# Altium PCB RK_NVR_DEMO1_RK3588_LP4XD200P232SD8_V21_20211228_final_lint.PcbDoc (part 25 of 29) (continued)
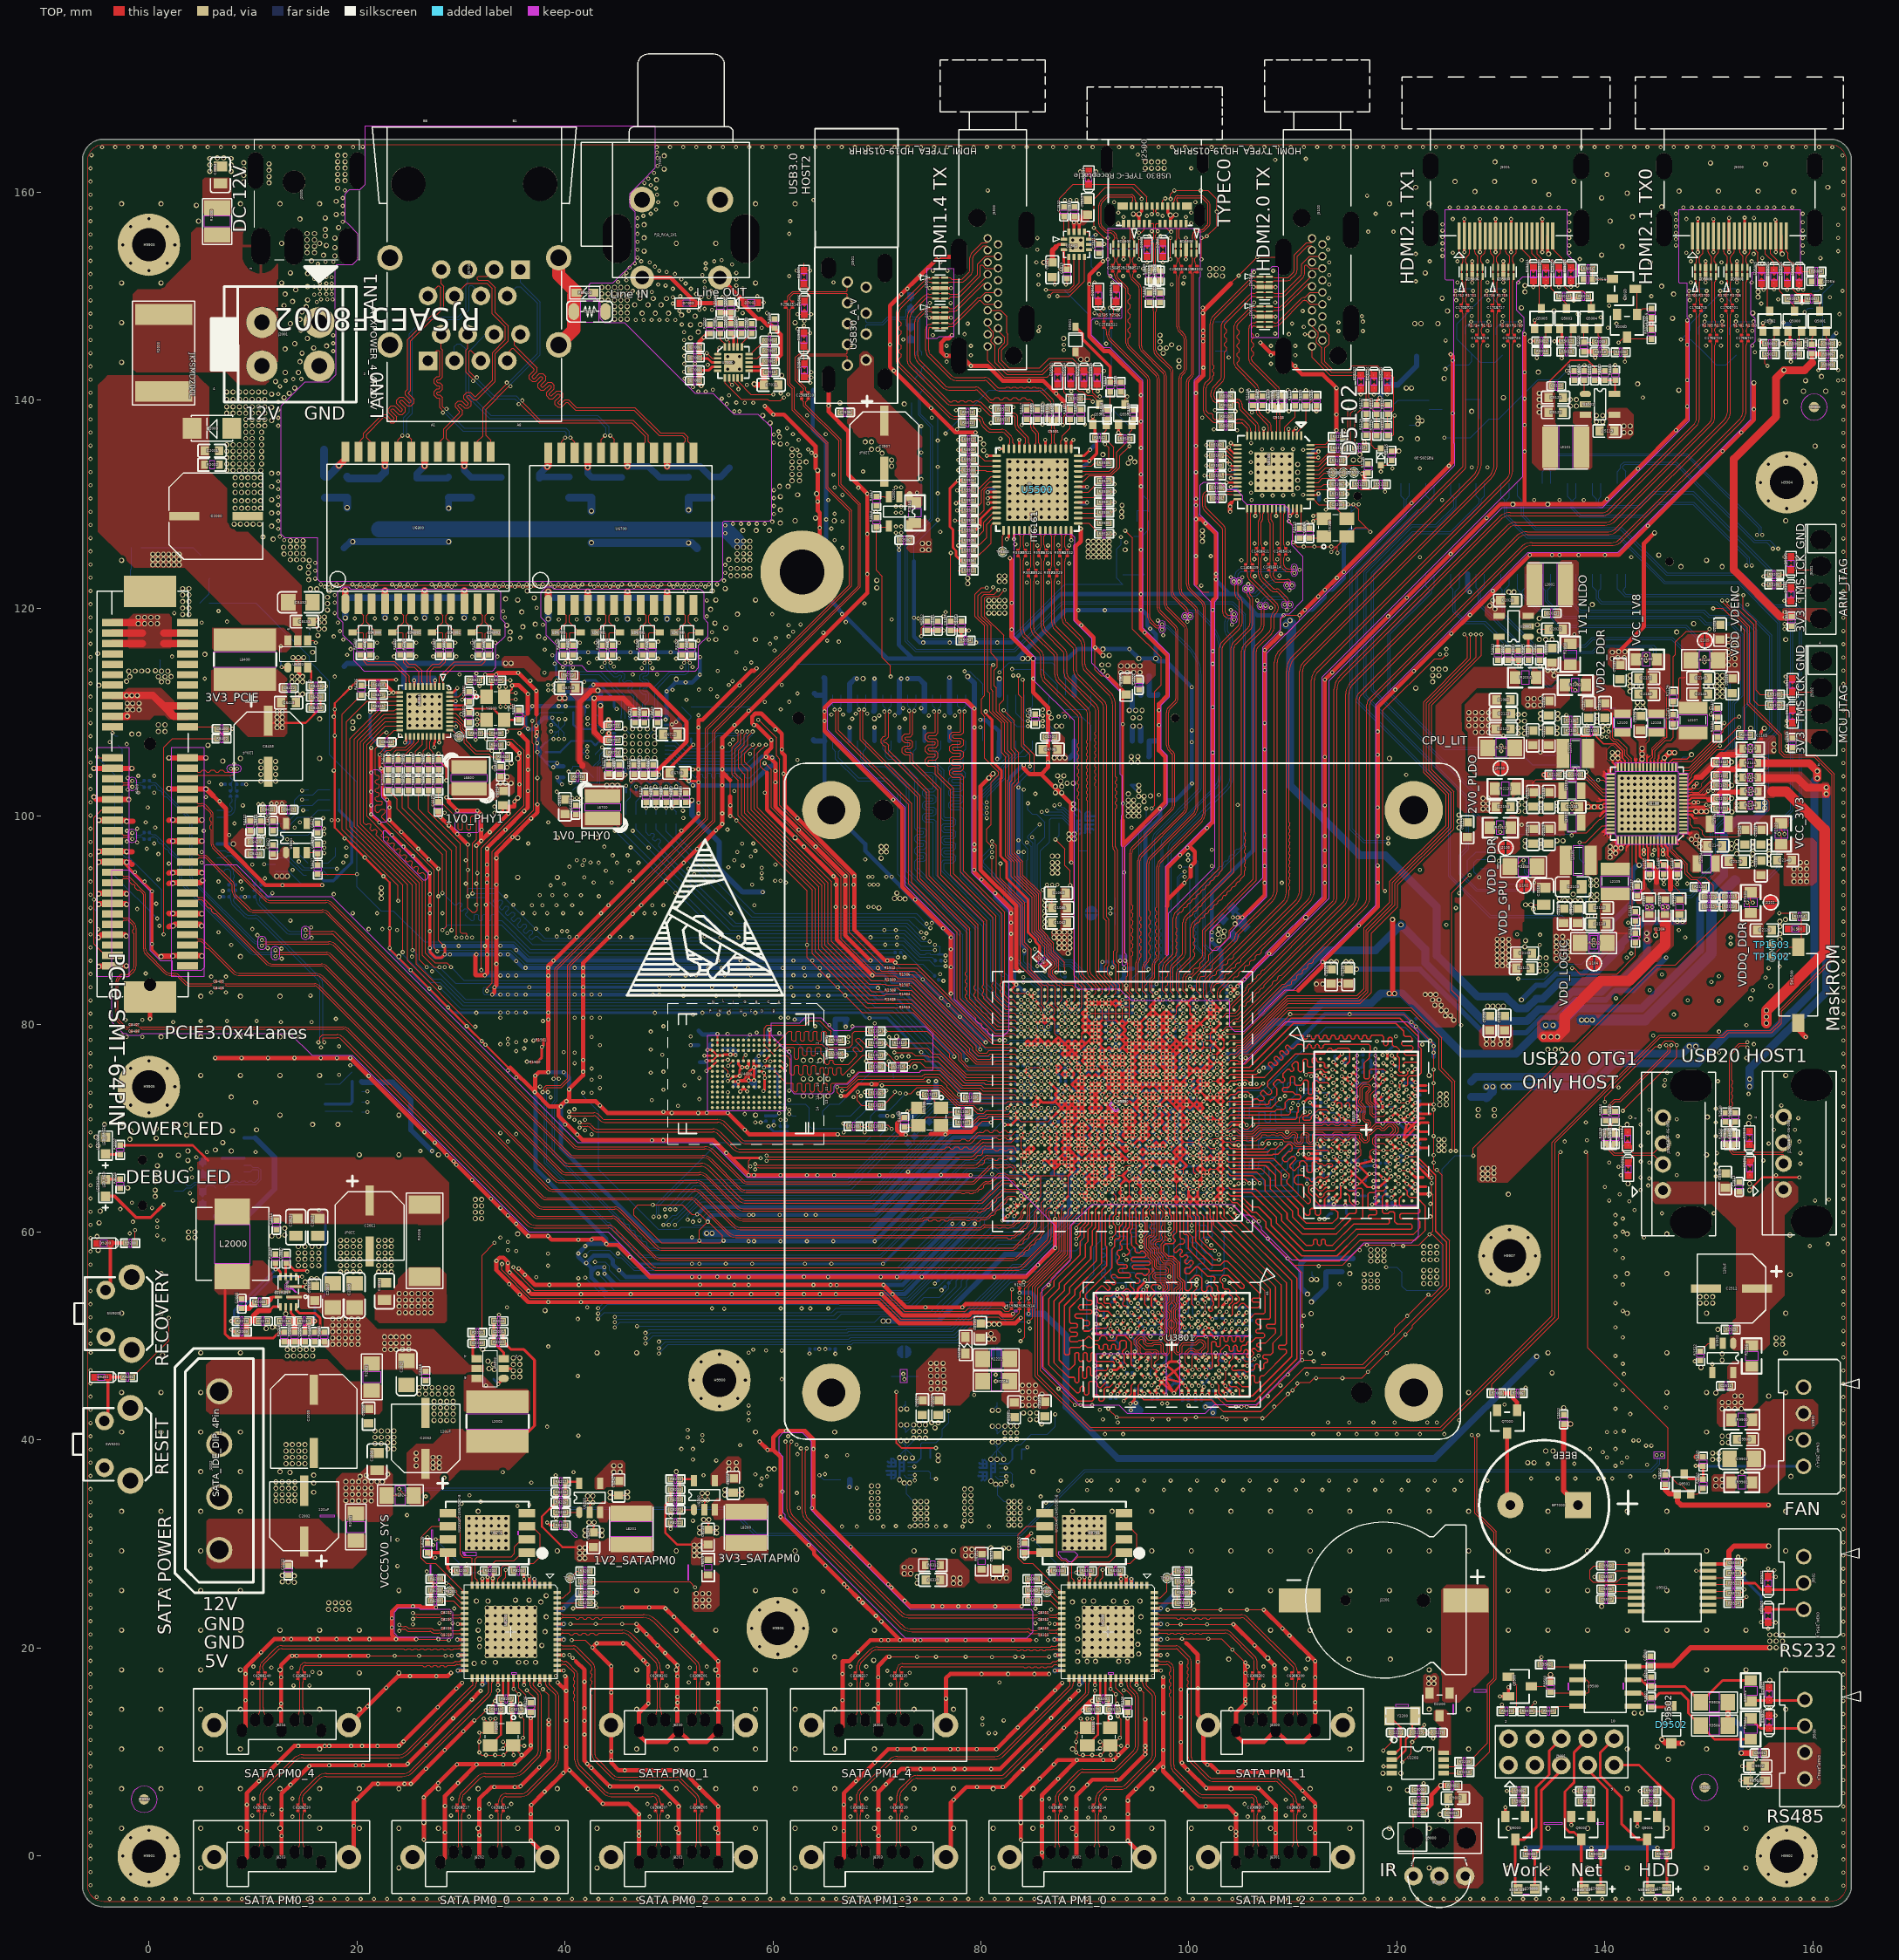
[diagram p0: TOP view]
## Nets (pads, with @x,y where several pads share a name; then routed paths per layer and width w, separated by ;. In a path a pad name is that pad's centre, name@x,y a point inside that pad or via, vN(x,y) a via of type N, cw(c..) or ccw(c..) an arc to the next point about the centre after c; other vN are vias at no path point) (continued)
  other v3: 94.969,16.447 89.469,16.491 96.537,17.336 87.153,19.328 97.299,19.328 87.1,22.328 97.299,22.328 94.469,26.632 89.469,26.69
  other v4: 96.537,17.336
  other v7: 77.36,26.226 77.995,26.226 77.36,26.734 77.995,26.734
  other v8: 77.36,26.226 77.995,26.226 77.36,26.734 77.995,26.734
  other v17: 94.969,16.447 89.469,16.491 96.537,17.336 87.153,19.328 97.299,19.328 87.1,22.328 97.299,22.328 94.469,26.632 89.469,26.69
  other v20: 77.36,26.226 77.995,26.226 77.36,26.734 77.995,26.734
VDD2_DDR: C2100.1 C3809.1 C3810.1 C3811.1 C3812.1 C3813.1 C3814.1 C3815.1 C3816.1 C3817.1 C3818.1 C3819.1 C3820.1 C3821.1 C3822.1 C3823.1 C3854.1 C3855.1 C3856.1 C3857.1 C3858.1 C3859.1 C3860.1 C3861.1 C3862.1 C3863.1 C3864.1 C3865.1 C3866.1 C3867.1 C3868.1 J9800.46 R1205.2 R2102.1 R3806.1 R3807.2 R3811.2 R3816.1 R3817.2 U3800.A4 U3800.A9 U3800.AB4 U3800.AB9 U3800.F5 U3800.F8 U3800.H1 U3800.H5 U3800.H8 U3800.H12 U3800.K1 U3800.K3 U3800.K10 U3800.K12 U3800.N1 U3800.N3 U3800.N10 U3800.N12 U3800.R1 U3800.R5 U3800.R8 U3800.R12 U3800.U5 U3800.U8 U3801.A4 U3801.A9 U3801.AB4 U3801.AB9 U3801.F5 U3801.F8 U3801.H1 U3801.H5 U3801.H8 U3801.H12 U3801.K1 U3801.K3 U3801.K10 U3801.K12 U3801.N1 U3801.N3 U3801.N10 U3801.N12 U3801.R1 U3801.R5 U3801.R8 U3801.R12 U3801.U5 U3801.U8 | length 61.1
  TOP w0.102: R2102.1@135.948,112.535 136.151,112.332 136.923,112.332 ; R2102.1@136.151,112.611 136.355,112.408 136.847,112.408 136.923,112.332 ; v4(137.151,112.103) 136.923,112.332
  TOP w0.254: v4(114.698,76.314) U3800.A4@115.041,76.656 ; v4(115.041,62.595) U3800.AB4@115.041,63.006 ; U3800.R5@115.841,67.556 116.023,67.556 v4(116.222,67.755) ; U3800.H5@115.841,72.107 v4(116.175,71.772) ; v4(117.847,67.653) 117.944,67.556 U3800.R8@118.241,67.556 ; U3800.H8@118.241,72.107 118.241,72.213 117.858,72.596 117.858,73.024 v4(117.916,73.082) U3800.F8@118.241,73.407 ; U3800.N10@119.841,68.856 v4(120.198,69.214)
  L4-S1 w0.254: v29(95.914,47.587) 96.816,47.587 ; v29(113.868,68.483) 113.915,68.531 v29(113.915,71.127) ; 115.307,73.902 115.478,73.731 v29(115.516,73.731) ; 115.917,71.565 116.124,71.772 v4(116.175,71.772) ; v4(117.916,73.082) 117.916,73.36 117.949,73.394
  L4-S1 w0.406: v29(94.398,49.983) 94.276,49.861 94.276,49.029 v29(94.794,48.511)
  BOTTOM w0.102: J9800.46@125.208,123.273 125.208,122.015 125.417,121.806 125.417,119.664 126.551,118.529 128.338,118.529 134.561,112.306 136.948,112.306 v4(137.151,112.103)
  BOTTOM w0.254: v29(90.949,47.156) 91.247,46.858 C3858.1@91.711,46.858 ; v29(91.076,51.156) 91.33,50.902 C3860.1@91.33,50.733 ; v29(94.398,49.983) 94.948,49.433 C3855.1@94.948,49.213 94.948,48.665 v29(94.794,48.511) ; R3817.2@95.847,53.505 95.847,53.629 96.181,53.963 v29(96.181,53.988) ; v29(95.914,47.587) 95.968,47.587 96.468,48.087 C3857.1@96.468,48.095 ; v29(96.304,49.971) 96.562,50.229 C3864.1@96.795,50.229 ; C3868.1@96.464,43.955 96.498,43.989 96.498,44.348 v29(96.465,44.381) ; v29(97.706,46.69) 97.706,46.52 98.569,45.657 C3856.1@98.569,45.465 ; v29(97.807,44.387) 97.807,44.703 C3856.1@98.569,45.465 ; C3863.1@99.077,52.011 99.077,51.986 99.266,51.986 99.567,51.684 v29(99.567,51.639) ; v29(99.321,44.332) 99.407,44.247 C3859.1@99.407,43.875 ; v29(99.646,46.031) 99.08,45.465 C3856.1@98.569,45.465 ; C3854.1@100.282,49.086 C3854.1@100.347,49.151 ; v29(100.347,49.975) C3854.1@100.347,49.151 ; v29(100.621,44.332) 100.652,44.302 100.652,43.9 C3862.1@100.677,43.875 ; v29(100.728,54.039) 100.774,54.085 101.134,54.085 R3816.1@101.134,54.06 ; v29(100.946,47.631) 100.58,47.998 100.58,48.07 C3861.1@100.605,48.095 100.245,48.455 100.22,48.455 100.22,49.021 100.347,49.148 C3854.1@100.347,49.151 ; v29(102.633,49.848) 102.756,49.971 C3866.1@102.756,50.254 ; v29(105.496,51.481) 105.54,51.524 C3865.1@106.015,51.524 ; v29(105.601,47.156) 105.643,47.199 C3867.1@106.065,47.199 ; v29(111.523,67.501) 112.047,67.501 R3807.2@112.174,67.374 ; v29(111.65,72.454) R3806.1@112.162,72.454 ; v29(112.312,71.135) 112.312,71.106 112.543,70.875 C3822.1@112.543,70.701 ; C3814.1@112.979,68.072 113.004,68.097 113.004,68.474 v29(113.013,68.483) ; v29(113.915,71.127) 113.915,71.102 113.94,71.078 C3817.1@113.94,70.701 ; v4(114.698,76.314) 114.745,76.268 C3821.1@115.206,76.268 ; v4(115.041,62.595) 115.144,62.492 C3810.1@115.144,61.786 ; v29(116.171,65.926) 116.374,65.926 116.81,66.362 C3816.1@116.984,66.362 117.844,66.362 v29(117.847,66.358) ; v4(116.175,71.772) 116.383,71.565 C3812.1@116.915,71.565 ; v29(119.016,62.294) 118.995,62.315 118.995,62.777 C3820.1@119.02,62.802 ; v29(119.066,77.28) 119.066,77.305 119.618,77.857 C3813.1@119.618,77.864 ; v29(120.129,70.519) 120.859,69.789 C3811.1@120.859,69.787 ; v4(120.198,69.214) 120.362,69.214 120.859,69.711 C3811.1@120.859,69.761 C3811.1@120.859,69.787 ; v29(121.724,67.84) 121.872,67.988 122.094,67.988 122.119,68.013 C3823.1@122.191,68.013 ; v29(121.766,71.131) 121.988,70.909 122.191,70.909 C3818.1@122.216,70.934 ; v29(121.766,72.431) 121.911,72.577 C3815.1@122.191,72.577 ; v29(121.773,69.189) 121.302,69.66 120.986,69.66 C3811.1@120.859,69.787
  BOTTOM w0.305: v4(117.916,73.082) 117.916,73.161 118.099,73.345 118.099,73.37 C3819.1@118.228,73.499
  other v3: 115.041,62.595 117.847,67.653 116.222,67.755 120.198,69.214 116.175,71.772 117.916,73.082 114.698,76.314 137.151,112.103
  other v7: 117.492,57.214 118.127,57.214 118.762,57.214 117.492,57.747 118.127,57.747 118.762,57.747 117.492,58.281 118.127,58.281 118.762,58.281 132.579,110.681 133.189,110.681 133.799,110.681 132.579,111.29 133.189,111.29 133.799,111.29
  other v8: 117.492,57.214 118.127,57.214 118.762,57.214 117.492,57.747 118.127,57.747 118.762,57.747 117.492,58.281 118.127,58.281 118.762,58.281 132.579,110.681 133.189,110.681 133.799,110.681 132.579,111.29 133.189,111.29 133.799,111.29
  other v17: 115.041,62.595 117.847,67.653 116.222,67.755 120.198,69.214 116.175,71.772 117.916,73.082 114.698,76.314
  other v20: 117.492,57.214 118.127,57.214 118.762,57.214 117.492,57.747 118.127,57.747 118.762,57.747 117.492,58.281 118.127,58.281 118.762,58.281 132.579,110.681 133.189,110.681 133.799,110.681 132.579,111.29 133.189,111.29 133.799,111.29
  other v29: 101.636,47.67 97.056,52.271 99.606,53.84 97.172,53.912
VDD2_DDR_CKE: C1216.1 C1219.1 R1205.1 U1000.H13 U1000.N8 | length 34.7
  TOP w0.254: v4(96.216,66.081) U1000.H13@96.541,66.406 ; U1000.N8@99.791,69.656 v4(100.116,69.981)
  L3-POWER1 w0.406: 95.803,66.081 v4(96.216,66.081)
  L3-POWER1 w0.508: 95.902,62.319 96.613,61.608 96.613,59.982 99.89,56.706 106.316,56.706 108.983,54.039 v8(111.396,54.039)
  L6-S2 w0.089: 99.864,68.72 99.864,69.123 99.791,69.197 99.791,69.656 99.864,69.729 ; 100.982,70.244 101.24,70.244 101.287,70.291 101.544,70.291 101.725,70.109 101.725,69.853 101.693,69.82 101.693,69.736 ; 101.591,67.704 101.795,67.907 101.795,68.11 ; 101.693,69.025 101.693,69.171 101.725,69.203 101.725,69.459 101.693,69.492 101.693,69.634
  L6-S2 w0.254: v4(96.216,66.081) 96.311,66.081 96.715,66.485
  BOTTOM w0.254: v4(96.216,66.081) 96.451,65.846 C1219.1@96.62,65.846 ; C1216.1@99.737,69.721 99.856,69.721 v4(100.116,69.981)
  BOTTOM w0.508: v8(111.396,54.039) 110.761,54.674 110.761,56.96 111.269,57.468 R1205.1@115.772,57.468
  other v3: 96.216,66.081 100.116,69.981
  other v7: 111.396,54.039
  other v12: 96.216,66.081 100.116,69.981
  other v19: 111.396,54.039
  other v26: 96.216,66.081
VDD2_DDR_P: C2101.1 C2106.1 C2107.1 J9800.44 L2100.1 R2102.2 R2103.1 U2100.30 | length 28.1
  TOP w0.102: v4(137.151,112.713) 137.253,112.611 R2102.2@138.151,112.611 ; 139.895,110.274 140.301,110.274 140.745,109.83 140.745,107.544 140.911,107.379 141.267,107.379 142.13,106.516 142.13,105.941 142.536,105.535 142.536,105.194 142.638,105.092 U2100.30@142.638,104.703
  BOTTOM w0.102: J9800.44@126.008,123.273 126.008,121.991 125.62,121.603 125.62,119.749 126.636,118.733 128.49,118.733 134.713,112.51 136.948,112.51 v4(137.151,112.713)
  BOTTOM w0.203: v4(139.313,110.355) C2101.1@139.964,110.355 R2103.1@140.948,110.355
  other v3: 139.313,110.355 137.151,112.713
VDD10_PHY0: C6715.1 C6716.1 C6717.1 C6721.1 C6722.1 C6723.1 L6700.2 U6701.3 U6701.8 U6701.21 U6701.38 | length 37.9
  TOP w0.406: v4(42.74,112.637) 48.099,112.637 51.706,109.03 51.706,107.172 48.923,104.389 48.908,104.389 C6722.1@48.557,104.038 ; C6722.1@48.491,104.038 C6722.1@48.557,104.038 ; v4(49.075,103.986) 49.023,104.038 C6722.1@48.557,104.038
  TOP w0.508: v8(39.485,111.344) v8(39.993,111.344) ; v4(44.222,107.972) 44.204,107.954 C6721.1@44.204,107.27 43.663,107.27 42.816,108.117 v8(42.816,111.344) 45.581,111.344 46.766,110.159 C6717.1@46.766,109.896
  BOTTOM w0.254: v4(44.222,107.972) U6701.38@44.81,107.972 ; U6701.3@46.21,109.372 v4(46.21,109.954) ; U6701.8@48.21,109.372 v4(48.21,109.954) ; U6701.21@49.01,104.572 49.075,104.507 v4(49.075,103.986)
  BOTTOM w0.406: v8(39.485,111.344) 39.485,111.544 39.891,111.951 42.054,111.951 v4(42.74,112.637)
  BOTTOM w0.508: v8(39.485,111.344) v8(39.993,111.344) v8(42.816,111.344)
  other v3: 49.075,103.986 44.222,107.972 46.21,109.954 48.21,109.954 42.74,112.637
  other v7: 39.485,111.344 39.993,111.344 42.816,111.344
VDD10_PHY1: C6814.1 C6815.1 C6816.1 C6820.1 C6821.1 C6822.1 L6800.2 U6801.3 U6801.8 U6801.21 U6801.38 | length 4.2
  TOP w0.102: C6822.1@33.824,103.83 34.376,103.83 v8(34.434,103.772)
  TOP w0.254: v4(24.629,107.074) 24.629,107.099 24.709,107.179 U6801.21@24.709,107.671 ; U6801.8@25.509,112.471 v4(25.509,113.052) ; U6801.3@27.509,112.471 v4(27.509,113.052) ; U6801.38@28.909,111.071 v4(29.497,111.071)
  BOTTOM w0.305: v4(29.497,111.071) 29.497,110.522 C6821.1@29.509,110.511
  BOTTOM w0.406: v4(24.629,107.074) 25.14,107.074 C6815.1@25.203,107.137
  other v3: 24.629,107.074 29.497,111.071 25.509,113.052 27.509,113.052
  other v7: 33.799,103.162 34.307,103.162 34.815,103.162 34.434,103.772
  other v8: 33.799,103.162 34.307,103.162 34.815,103.162
  other v19: 33.799,103.162 34.307,103.162 34.815,103.162 34.434,103.772
  other v26: 24.629,107.074 29.497,111.071 25.509,113.052 27.509,113.052
VDD_ASPVCC10: C5127.1 C5128.1 C5129.1 C5130.1 C5131.1 C5132.1 C5133.1 FB5102.2 U5100.25 U5100.31 U5100.36 U5100.41 | length 11.8
  TOP w0.203: v4(104.03,131.653) 104.057,131.68 U5100.25@104.688,131.68 ; v4(106.388,128.867) U5100.31@106.388,129.58 ; v4(108.388,128.867) U5100.36@108.388,129.58 ; v4(110.388,128.867) U5100.41@110.388,129.58
  L6-S2 w0.406: v4(104.03,131.653) 104.03,131.226 v4(106.388,128.867) v4(108.388,128.867) 108.998,129.477 109.982,129.477 110.388,129.07 v4(110.388,128.867)
  BOTTOM w0.406: v4(104.03,131.653) 104.195,131.487 C5133.1@104.582,131.487
  other v3: 106.388,128.867 108.388,128.867 110.388,128.867 104.03,131.653
  other v12: 106.388,128.867 108.388,128.867 110.388,128.867 104.03,131.653
VDD_AVCC12_6161: C5513.1 C5514.1 FB5501.2 U5500.34 | length 0.9
  TOP w0.254: U5500.34@86.187,135.332 v4(86.187,136.182)
  other v3: 86.187,136.182
VDD_CPU_BIG0: C1010.1 C1013.1 C1014.1 C1015.1 C1016.1 C1017.1 C1018.1 C1019.1 C1022.1 C1023.1 C1080.1 C2204.2 C2209.1 J2200.2 J9800.17 R2200.2 R2202.2 R2220.1 R2221.1 U1000.M16 U1000.M17 U1000.M19 U1000.N16 U1000.N17 U1000.N19 U1000.P16 U1000.P17 U1000.R16 U1000.R17 U1000.T16 U1000.T17 U2200.A4 | length 235
  TOP w0.254: v4(92.316,69.331) U1000.N19@92.641,69.656 v4(92.316,69.981) ; v4(92.316,69.331) U1000.M19@92.641,69.006 ; v4(93.616,71.931) U1000.T17@93.941,71.606 ; U1000.N17@93.941,69.656 93.616,69.332 U1000.M17@93.941,69.006 v4(94.265,69.331) ; U1000.R17@93.941,70.956 v4(93.616,70.631) U1000.P17@93.941,70.306 ; U1000.P17@93.941,70.306 v4(93.616,69.981) U1000.N17@93.941,69.656 ; U1000.R17@93.941,70.956 v4(94.265,70.631) ; v4(94.265,70.631) U1000.P17@93.941,70.306 ; U1000.N16@94.591,69.656 v4(94.265,69.331) ; U1000.P16@94.591,70.306 94.265,69.981 ; U1000.R16@94.591,70.956 94.915,70.631 U1000.P16@94.591,70.306 ; U1000.T16@94.591,71.606 94.915,71.281 U1000.R16@94.591,70.956 ; U1000.T17@93.939,71.606 v4(93.616,71.282) U1000.R17@93.941,70.956 v4(94.265,71.281) ; U1000.T17@93.939,71.606 U1000.T17@93.941,71.606 ; U1000.T17@93.939,71.606 v4(94.265,71.931) U1000.T16@94.591,71.606 v4(94.265,71.281) ; U1000.N17@93.941,69.656 94.265,69.981 ; U1000.N17@93.941,69.656 v4(94.265,69.331) ; U1000.P17@93.941,70.306 94.265,69.981 ; U1000.T17@93.941,71.606 v4(94.265,71.281) ; v4(94.265,69.331) U1000.M16@94.591,69.006 v4(94.916,69.331) U1000.N16@94.591,69.656 ; 94.265,69.981 U1000.N16@94.591,69.656 ; v4(94.265,70.631) U1000.P16@94.591,70.306 ; v4(94.265,70.631) U1000.R16@94.591,70.956 ; v4(94.265,71.281) U1000.R16@94.591,70.956 ; U1000.N16@94.591,69.656 v4(94.915,69.981) U1000.P16@94.591,70.306
  L4-S1 w0.089: 91.762,58.992 91.838,59.068 91.838,60.592 93.971,62.726 93.971,65.267 93.941,65.297 93.941,66.896 93.489,67.348 93.489,67.374
  L4-S1 w0.102: v4(87.139,42.482) 87.393,42.482 90.212,45.301 90.212,57.442 91.762,58.992 ; v4(142.739,39.967) 142.943,40.17 142.943,51.656 151.68,60.394 151.68,84.981 152.99,86.29 152.99,91.975 154.931,93.917 154.931,98.387 155.947,99.403 155.947,101.74 155.135,102.553 155.135,107.531 155.846,108.242 155.846,109.258 154.525,110.579 154.525,122.873 153.733,123.664 153.733,123.969 v4(153.611,124.092)
  L6-S2 w0.102: v4(81.424,45.657) 81.551,45.784 85.488,45.784 87.393,43.879 87.393,42.863 90.796,39.459 127.804,39.459 128.515,40.17 142.638,40.17 142.739,40.069 v4(142.739,39.967)
  BOTTOM w0.102: v4(81.424,45.657) 81.783,46.016 R2200.2@82.771,46.016 ; R2202.2@83.02,39.112 83.469,39.561 83.837,39.561 84.853,40.577 86.377,40.577 87.139,41.339 v4(87.139,42.482) ; J9800.17@136.408,131.973 136.408,130.728 136.745,130.391 136.745,129.596 137.575,128.766 143.84,128.766 145.059,129.985 148.446,129.985 153.712,124.719 153.712,124.194 v4(153.611,124.092)
  BOTTOM w0.152: U2200.A4@81.773,37.722 82.615,37.722 C2204.2@83.02,38.128 R2202.2@83.02,39.112
  other v3: 142.739,39.967 87.139,42.482 81.424,45.657 92.316,69.331 94.265,69.331 94.916,69.331 92.316,69.981 93.616,69.981 94.915,69.981 93.616,70.631 94.265,70.631 93.616,71.282 94.265,71.281 93.616,71.931 94.265,71.931 153.611,124.092
  other v7: 83.989,43.371 84.624,43.371 85.259,43.371 83.989,44.006 84.624,44.006 85.259,44.006 85.869,44.412 83.989,44.641 84.624,44.641 85.259,44.641 83.989,45.276 84.624,45.276 85.259,45.276
  other v8: 83.989,43.371 84.624,43.371 85.259,43.371 83.989,44.006 84.624,44.006 85.259,44.006 85.869,44.412 83.989,44.641 84.624,44.641 85.259,44.641 83.989,45.276 84.624,45.276 85.259,45.276
  other v12: 142.739,39.967 81.424,45.657
  other v17: 142.739,39.967 87.139,42.482 81.424,45.657 92.316,69.331 94.265,69.331 94.916,69.331 92.316,69.981 93.616,69.981 94.915,69.981 93.616,70.631 94.265,70.631 93.616,71.282 94.265,71.281 93.616,71.931 94.265,71.931 153.611,124.092
  other v20: 83.989,43.371 84.624,43.371 85.259,43.371 83.989,44.006 84.624,44.006 85.259,44.006 85.869,44.412 83.989,44.641 84.624,44.641 85.259,44.641 83.989,45.276 84.624,45.276 85.259,45.276
VDD_CPU_BIG0_P: C2204.1 C2205.1 C2206.1 C2207.1 C2208.1 J2200.1 J9800.15 L2200.2 R2200.1 R2202.1 | length 192.5
  L4-S1 w0.102: v4(79.341,44.336) 79.646,44.031 79.646,40.069 80.357,39.358 84.421,39.358 v4(84.472,39.307) ; v4(143.247,39.967) 143.146,40.069 143.146,51.572 151.883,60.31 151.883,84.897 153.193,86.206 153.193,91.873 155.135,93.815 155.135,98.286 156.151,99.302 156.151,101.842 155.338,102.654 155.338,107.43 156.049,108.141 156.049,109.36 154.728,110.681 154.728,122.957 153.936,123.749 153.936,123.91 v4(154.119,124.092)
  L6-S2 w0.102: v4(81.424,46.292) 81.678,46.038 85.593,46.038 87.647,43.984 87.647,42.968 90.953,39.662 127.703,39.662 128.414,40.374 142.841,40.374 v4(143.247,39.967)
  BOTTOM w0.102: R2200.1@80.171,46.016 80.894,46.016 81.17,46.292 v4(81.424,46.292) ; J9800.15@137.208,131.973 137.208,130.651 136.948,130.391 136.948,129.68 137.659,128.969 143.755,128.969 144.975,130.188 148.531,130.188 153.915,124.803 153.915,124.295 v4(154.119,124.092)
  BOTTOM w0.152: C2204.1@83.92,38.128 R2202.1@83.92,39.112 84.277,39.112 v4(84.472,39.307)
  other v3: 84.472,39.307 143.247,39.967 79.341,44.336 81.424,46.292 154.119,124.092
  other v12: 143.247,39.967 81.424,46.292
  other v17: 84.472,39.307 143.247,39.967 79.341,44.336 154.119,124.092
VDD_CPU_BIG1: C1024.1 C1025.1 C1027.1 C1028.1 C1029.1 C1030.1 C1031.1 C1032.1 C1033.1 C1081.1 C2210.2 C2215.1 FB2201.1 J2202.2 J9800.23 R2201.2 R2203.2 R2220.2 R2221.2 U1000.K23 U1000.K24 U1000.L23 U1000.L24 U1000.M23 U1000.M24 U1000.N23 U1000.N24 U1000.P23 U1000.P24 U2201.A4 | length 274.7
  TOP w0.254: U1000.L24@89.391,68.356 v4(89.716,68.681) ; U1000.K24@89.391,67.705 89.716,67.381 90.04,67.705 v4(89.716,68.031) U1000.K24@89.391,67.705 v4(89.066,68.03) U1000.L24@89.391,68.355 ; U1000.N24@89.391,69.656 v4(89.716,69.331) ; U1000.P24@89.391,70.306 v4(89.716,69.981) ; U1000.K23@90.041,67.705 v4(90.366,68.031) U1000.L23@90.041,68.356 ; U1000.L24@89.391,68.356 v4(89.716,68.031) U1000.L23@90.041,68.356 ; U1000.L24@89.391,68.356 89.066,68.681 v4(89.066,68.684) 89.068,68.684 U1000.M24@89.391,69.006 ; U1000.M24@89.391,69.006 v4(89.716,68.681) ; U1000.M24@89.391,69.006 89.066,69.331 U1000.N24@89.39,69.656 ; U1000.M24@89.391,69.006 v3@89.716,69.331 ; U1000.N24@89.391,69.656 89.066,69.981 89.39,70.306 v4(89.716,70.631) U1000.P23@90.041,70.306 ; U1000.N24@89.391,69.656 v4(89.716,69.981) ; v4(89.716,68.681) 90.041,69.006 v4(89.716,69.331) ; v4(89.716,68.681) U1000.L23@90.041,68.356 ; v4(89.716,69.331) U1000.N23@90.04,69.656 ; v4(89.716,69.981) U1000.N23@90.041,69.656 ; v4(89.716,69.981) U1000.P23@90.04,70.306 ; U1000.N23@90.041,69.656 90.366,69.981 U1000.P23@90.041,70.306
  L3-POWER1 w0.089: 82.09,69.533 82.192,69.634 83.731,69.634 83.737,69.641 83.994,69.641 84,69.634 84.381,69.634 84.387,69.641 84.644,69.641 84.65,69.634 85.031,69.634 85.037,69.641 85.294,69.641 85.3,69.634 85.681,69.634 85.687,69.641 85.944,69.641 85.95,69.634 86.332,69.634 86.338,69.64 86.594,69.64 86.6,69.634 86.758,69.634
  L3-POWER1 w0.102: v4(76.903,42.812) 76.801,42.914 76.801,43.828 76.598,44.031 71.823,44.031 69.384,46.47 69.384,59.474 69.892,59.982 69.892,65.672 73.245,69.025 81.582,69.025 82.09,69.533
  L4-S1 w0.102: v4(144.467,39.459) 144.263,39.662 144.263,51.54 152.493,59.769 152.493,84.356 155.643,87.506 155.643,94.222 156.862,95.441 156.862,97.473 156.354,97.981 156.354,98.692 156.862,99.2 156.862,102.146 155.744,103.264 155.744,107.125 156.557,107.938 156.557,110.681 155.947,111.29 155.947,125.108 155.033,126.022 155.033,126.937 v4(155.135,127.038)
  L6-S2 w0.102: v4(72.635,45.86) 74.566,47.79 76.513,47.79 80.882,43.422 82.203,43.422 84.845,40.78 87.469,40.78 89.298,38.951 127.906,38.951 128.719,39.764 141.825,39.764 142.536,39.053 144.06,39.053 v4(144.467,39.459)
  BOTTOM w0.102: v4(72.635,45.86) 72.737,45.86 73.02,46.143 R2201.2@73.982,46.143 ; R2203.2@74.232,39.239 74.232,39.633 74.363,39.764 75.683,39.764 76.293,40.374 76.293,41.085 76.903,41.694 v4(76.903,42.812) ; v8(75.734,47.384) 75.887,47.232 C1033.1@75.887,43.817 ; J9800.23@134.008,131.973 134.008,133.14 134.307,133.439 134.307,133.846 135.323,134.862 147.921,134.862 155.033,127.75 155.033,127.14 v4(155.135,127.038)
  BOTTOM w0.152: U2201.A4@72.984,37.849 73.826,37.849 C2210.2@74.232,38.255 R2203.2@74.232,39.239
  BOTTOM w0.406: v4(89.716,69.331) 89.861,69.186 C1029.1@90.441,69.186
  other v3: 144.467,39.459 76.903,42.812 72.635,45.86 89.066,68.03 89.716,68.031 90.366,68.031 89.716,68.681 89.066,68.684 89.716,69.331 89.716,69.981 89.716,70.631 155.135,127.038
  other v7: 75.201,44.895 75.836,44.895 76.471,44.895 75.201,45.53 75.836,45.53 76.471,45.53 75.175,46.165 75.785,46.165 76.395,46.165 75.175,46.774 75.785,46.774 76.395,46.774 75.175,47.384 75.734,47.384 76.369,47.384
  other v8: 75.201,44.895 75.836,44.895 76.471,44.895 75.201,45.53 75.836,45.53 76.471,45.53 75.175,46.165 75.785,46.165 76.395,46.165 75.175,46.774 75.785,46.774 76.395,46.774 75.175,47.384 76.369,47.384
  other v12: 144.467,39.459 72.635,45.86
  other v17: 144.467,39.459 155.135,127.038
  other v19: 75.201,44.895 75.836,44.895 76.471,44.895 75.201,45.53 75.836,45.53 76.471,45.53 75.175,46.165 75.785,46.165 76.395,46.165 75.175,46.774 75.785,46.774 76.395,46.774 75.175,47.384 75.734,47.384 76.369,47.384
  other v26: 76.903,42.812 89.066,68.03 89.716,68.031 90.366,68.031 89.716,68.681 89.066,68.684 89.716,69.331 89.716,69.981 89.716,70.631
VDD_CPU_BIG1_MEM: C1051.1 C1083.1 C2230.1 FB2201.2 U1000.M21 U1000.N21 | length 10.1
  TOP w0.254: v4(91.016,68.681) 91.341,69.005 v4(91.016,69.331) U1000.N21@91.341,69.656
  L3-POWER1 w0.089: 90.619,67.399 90.706,67.487 90.706,68.371 v4(91.016,68.681) ; 92.447,61.608 92.549,61.71 92.549,61.976 92.625,62.053 92.625,62.309 92.549,62.386 92.549,62.626 92.625,62.703 92.625,62.959 92.549,63.035 92.549,63.926 92.625,64.002 92.625,64.259 92.549,64.335 92.549,64.576 92.625,64.653 92.625,64.909 92.549,64.986 92.549,65.367 ; 92.447,66.282 92.549,66.383 92.549,66.526 92.625,66.603 92.625,66.859 92.549,66.936 92.549,67.094
  L3-POWER1 w0.254: v4(91.016,68.681) v4(91.016,69.331)
  BOTTOM w0.254: v4(91.016,69.331) C1051.1@91.417,68.929 91.264,68.929 v4(91.016,68.681) 91.383,68.314 C1083.1@91.41,68.314
  other v3: 91.016,68.681 91.016,69.331
  other v7: 80.763,49.721 81.271,49.721 80.967,50.229
  other v8: 80.763,49.721 81.271,49.721 80.967,50.229
  other v19: 80.763,49.721 81.271,49.721 80.967,50.229
  other v26: 91.016,68.681 91.016,69.331
VDD_CPU_BIG1_P: C2210.1 C2211.1 C2212.1 C2213.1 C2214.1 J2202.1 J9800.21 L2201.2 R2201.1 R2203.1 | length 209.2
  TOP w0.152: v4(71.873,44.641) 71.873,39.713 72.339,39.248 v4(75.675,39.248)
  L4-S1 w0.102: v4(143.959,39.459) 144.06,39.561 144.06,51.624 152.29,59.854 152.29,84.441 155.439,87.59 155.439,94.323 156.659,95.542 156.659,97.371 156.151,97.879 156.151,98.794 156.659,99.302 156.659,102.045 155.541,103.162 155.541,107.226 156.354,108.039 156.354,110.579 155.744,111.189 155.744,125.006 154.83,125.921 154.83,126.835 v4(154.627,127.038)
  L6-S2 w0.102: v4(72.534,46.368) 72.839,46.368 74.464,47.994 76.598,47.994 80.967,43.625 82.287,43.625 84.929,40.983 87.553,40.983 89.382,39.154 127.804,39.154 128.617,39.967 141.927,39.967 142.638,39.256 143.755,39.256 v4(143.959,39.459)
  BOTTOM w0.102: R2201.1@71.382,46.143 72.309,46.143 v4(72.534,46.368) ; J9800.21@134.808,131.973 134.808,133.141 134.51,133.439 134.51,133.761 135.407,134.658 147.837,134.658 154.83,127.665 154.83,127.242 v4(154.627,127.038)
  BOTTOM w0.152: C2210.1@75.132,38.255 R2203.1@75.132,39.239 75.667,39.239 v4(75.675,39.248)
  other v3: 75.675,39.248 143.959,39.459 71.873,44.641 72.534,46.368 154.627,127.038
  other v12: 143.959,39.459 72.534,46.368
  other v17: 143.959,39.459 154.627,127.038
VDD_CPU_LIT: C1054.1 C1057.1 C1058.1 C1059.1 C1060.1 C1061.1 C1070.1 C1071.1 C1082.1 C2119.2 C2122.1 C2123.1 J2103.2 J9800.52 R2112.2 R2114.2 U1000.T21 U1000.T22 U1000.U21 U1000.U22 U1000.V21 U1000.V22 U1000.W21 U1000.W22 U1000.Y21 U1000.Y22 U2100.37 | length 168.2
  TOP w0.102: R2112.2@128.731,106.566 129.726,106.566 v4(130.031,106.261) ; v4(139.365,103.481) 139.855,103.481 140.033,103.303 U2100.37@140.538,103.303
  TOP w0.254: v4(90.366,71.281) U1000.T22@90.691,71.606 ; v4(90.366,74.531) U1000.Y22@90.691,74.206 ; U1000.T21@91.341,71.606 91.018,71.284 v4(91.016,71.284) 91.013,71.284 U1000.T22@90.691,71.606 ; U1000.U21@91.341,72.256 91.029,71.944 91.029,71.931 ; U1000.T21@91.341,71.606 91.666,71.931 U1000.U21@91.341,72.256 U1000.V22@90.691,72.906 ; U1000.T21@91.341,71.606 91.029,71.918 91.029,71.931 ; v4(91.666,74.531) U1000.Y21@91.341,74.206 ; U1000.T22@90.691,71.606 90.366,71.931 U1000.U22@90.691,72.256 ; U1000.T22@90.691,71.606 91.016,71.931 ; U1000.U22@90.691,72.256 v4(90.366,72.581) U1000.V22@90.691,72.906 ; U1000.U22@90.691,72.256 U1000.V21@91.341,72.906 91.016,73.231 ; U1000.U22@90.691,72.256 91.016,71.931 ; U1000.V22@90.691,72.906 91.016,73.231 ; U1000.V22@90.691,72.906 v4(90.366,73.231) U1000.W22@90.691,73.556 ; U1000.W22@90.691,73.556 v4(91.016,73.881) ; U1000.W22@90.691,73.556 91.016,73.231 ; U1000.W22@90.691,73.556 v4(90.366,73.881) U1000.Y22@90.691,74.206 ; U1000.Y22@90.691,74.206 v4(91.016,73.881) ; U1000.Y22@90.691,74.206 v4(91.016,74.531) U1000.Y21@91.341,74.206 ; 91.016,71.931 91.029,71.931 ; 91.016,73.231 U1000.W21@91.341,73.556 ; v4(91.016,73.881) U1000.Y21@91.341,74.206 ; v4(91.016,73.881) U1000.W21@91.341,73.556 ; U1000.W21@91.341,73.556 v4(91.666,73.881) U1000.Y21@91.341,74.206
  L3-POWER1 w0.089: 82.09,69.939 82.592,69.939 82.974,70.321 87.244,70.321 87.269,70.346 87.469,70.346 87.774,70.65
  L3-POWER1 w0.102: 82.09,69.939 81.271,69.939 81.17,69.838 75.988,69.838 74.058,71.768 74.058,72.581 73.55,73.089 73.55,73.597 74.058,74.105 74.058,76.543 73.143,77.458 73.143,83.147 71.391,84.9 71.391,89.98 71.111,90.259 71.111,92.901 75.734,97.524 75.937,97.524 83.202,104.788 83.202,105.398 83.507,105.702 84.116,105.702 86.809,108.395 86.809,108.903 86.961,109.055 91.127,109.055 93.108,111.036 114.139,111.036 114.901,111.798 128.617,111.798 129.836,110.579 129.836,108.242 130.243,107.836 v4(130.243,107.734)
  BOTTOM w0.102: J9800.52@122.808,123.273 122.808,122.078 123.131,121.755 123.131,121.552 119.168,117.59 119.168,111.798 124.553,106.414 129.879,106.414 v4(130.031,106.261) ; v4(130.243,107.734) 133.029,104.947 C2119.2@134.611,104.947 R2114.2@135.526,104.947 137.297,104.947 137.558,104.686 137.558,104.178 138.256,103.481 v4(139.365,103.481)
  BOTTOM w0.254: C1057.1@89.895,73.763 90.248,73.763 v4(90.366,73.881) ; v4(90.366,71.281) 90.631,71.546 C1059.1@90.631,71.946 ; v4(90.366,72.581) 90.632,72.847 90.75,72.847 ; v4(90.366,73.231) 90.605,73.469 90.75,73.469 ; v4(91.016,74.531) 91.241,74.756 C1058.1@91.241,75.248 ; v4(91.666,74.531) 91.889,74.753 91.889,74.896
  other v3: 90.366,71.281 91.016,71.284 90.366,72.581 90.366,73.231 90.366,73.881 91.016,73.881 91.666,73.881 90.366,74.531 91.016,74.531 91.666,74.531 139.365,103.481 130.031,106.261 130.243,107.734
  other v7: 72.712,92.037 71.696,92.088 72.204,92.088 71.924,92.596 127.553,108.065 128.188,108.065 128.823,108.065 126.918,108.7 127.553,108.7 128.188,108.7 128.823,108.7 126.918,109.335 127.553,109.335 128.188,109.335 128.823,109.335 126.918,109.97 127.553,109.97 128.188,109.97 128.823,109.97
  other v8: 72.712,92.037 71.696,92.088 72.204,92.088 71.924,92.596 127.553,108.065 128.188,108.065 128.823,108.065 126.918,108.7 127.553,108.7 128.188,108.7 128.823,108.7 126.918,109.335 127.553,109.335 128.188,109.335 128.823,109.335 126.918,109.97 127.553,109.97 128.188,109.97 128.823,109.97
  other v19: 72.712,92.037 71.696,92.088 72.204,92.088 71.924,92.596 127.553,108.065 128.188,108.065 128.823,108.065 126.918,108.7 127.553,108.7 128.188,108.7 128.823,108.7 126.918,109.335 127.553,109.335 128.188,109.335 128.823,109.335 126.918,109.97 127.553,109.97 128.188,109.97 128.823,109.97
  other v26: 90.366,71.281 91.016,71.284 90.366,72.581 90.366,73.231 90.366,73.881 91.016,73.881 91.666,73.881 90.366,74.531 91.016,74.531 91.666,74.531 130.243,107.734
VDD_CPU_LIT_P: C2119.1 C2120.1 C2121.1 J2103.1 J9800.50 L2103.2 R2112.1 R2114.1 | length 29.3
  TOP w0.102: v4(130.031,106.769) 130.234,106.566 R2112.1@131.331,106.566
  BOTTOM w0.102: J9800.50@123.608,123.273 123.608,122.029 123.334,121.755 123.334,121.468 119.371,117.505 119.371,111.883 124.637,106.617 129.879,106.617 v4(130.031,106.769) ; v4(133.799,106.109) 134.06,105.848 C2119.1@134.611,105.848 R2114.1@135.526,105.848
  other v3: 133.799,106.109 130.031,106.769

## Text inside footprints (layer, text, board x,y; h text height)
C8338: PIN_NUMBER "1" at 67.68,17.598 h0.64 r180; PIN_NUMBER "2" at 67.68,17.098 h0.64; ASSEMBLY_TOP "10nF" at 67.655,17.347 h0.25 r90
C8339: PIN_NUMBER "2" at 74.577,26.556 h0.25 r180; PIN_NUMBER "1" at 75.977,26.556 h0.25 r180; ASSEMBLY_TOP "22uF" at 74.972,26.429 h0.25
C8340: PIN_NUMBER "2" at 88.918,23.621 h0.25; PIN_NUMBER "1" at 87.518,23.621 h0.25; ASSEMBLY_TOP "10uF" at 87.913,23.494 h0.25 r180
C8341: PIN_NUMBER "2" at 88.428,22.239 h0.25; PIN_NUMBER "1" at 87.528,22.239 h0.25; ASSEMBLY_TOP "100nF" at 87.571,22.112 h0.25 r180
C8342: PIN_NUMBER "2" at 88.555,19.318 h0.25; PIN_NUMBER "1" at 87.655,19.318 h0.25; ASSEMBLY_TOP "100nF" at 87.698,19.191 h0.25 r180
C8343: PIN_NUMBER "2" at 89.576,17.975 h0.25 r90; PIN_NUMBER "1" at 89.576,17.075 h0.25 r90; ASSEMBLY_TOP "100nF" at 89.296,17.525 h0.25 r270
C8344: PIN_NUMBER "2" at 89.299,25.1 h0.25 r270; PIN_NUMBER "1" at 89.299,26 h0.25 r270; ASSEMBLY_TOP "100nF" at 89.02,25.55 h0.25 r270
C8345: PIN_NUMBER "2" at 95.433,18.561 h0.25 r90; PIN_NUMBER "1" at 95.433,17.161 h0.25 r90; ASSEMBLY_TOP "10uF" at 95.255,17.861 h0.25 r270
C8346: PIN_NUMBER "2" at 95.756,19.749 h0.25 r180; PIN_NUMBER "1" at 96.657,19.749 h0.25 r180; ASSEMBLY_TOP "100nF" at 95.8,19.622 h0.25 r180
C8347: PIN_NUMBER "2" at 94.351,17.975 h0.25 r90; PIN_NUMBER "1" at 94.351,17.075 h0.25 r90; ASSEMBLY_TOP "100nF" at 94.071,17.525 h0.25 r270
C8348: PIN_NUMBER "2" at 95.663,22.262 h0.25 r180; PIN_NUMBER "1" at 96.563,22.262 h0.25 r180; ASSEMBLY_TOP "100nF" at 95.707,22.135 h0.25 r180
C8349: PIN_NUMBER "2" at 94.43,25.1 h0.25 r270; PIN_NUMBER "1" at 94.43,26 h0.25 r270; ASSEMBLY_TOP "100nF" at 94.151,25.55 h0.25 r270
C8400: PIN_NUMBER "2" at 7.343,108.395 h0.25; PIN_NUMBER "1" at 6.443,108.395 h0.25; ASSEMBLY_TOP "100nF" at 6.487,108.268 h0.25
C8401: PIN_NUMBER "1" at -0.207,103.417 h0.64 r270; PIN_NUMBER "2" at -0.707,103.417 h0.64 r90; ASSEMBLY_TOP "220nF" at -0.711,103.29 h0.25 r180
C8402: PIN_NUMBER "1" at -0.207,102.782 h0.64 r270; PIN_NUMBER "2" at -0.707,102.782 h0.64 r90; ASSEMBLY_TOP "220nF" at -0.711,102.655 h0.25 r180
C8403: PIN_NUMBER "1" at -0.207,98.417 h0.64 r270; PIN_NUMBER "2" at -0.707,98.417 h0.64 r90; ASSEMBLY_TOP "220nF" at -0.711,98.29 h0.25 r180
C8404: PIN_NUMBER "1" at -0.207,97.782 h0.64 r270; PIN_NUMBER "2" at -0.707,97.782 h0.64 r90; ASSEMBLY_TOP "220nF" at -0.711,97.655 h0.25 r180
C8405: PIN_NUMBER "1" at 6.685,84.098 h0.64 r90; PIN_NUMBER "2" at 6.184,84.098 h0.64 r270; ASSEMBLY_TOP "220nF" at 6.18,83.971 h0.25
C8406: PIN_NUMBER "1" at 6.685,83.463 h0.64 r90; PIN_NUMBER "2" at 6.184,83.463 h0.64 r270; ASSEMBLY_TOP "220nF" at 6.18,83.336 h0.25
C8407: PIN_NUMBER "1" at -1.443,79.933 h0.64 r90; PIN_NUMBER "2" at -1.944,79.933 h0.64 r270; ASSEMBLY_TOP "220nF" at -1.948,79.806 h0.25
C8408: PIN_NUMBER "1" at -1.443,79.298 h0.64 r90; PIN_NUMBER "2" at -1.944,79.298 h0.64 r270; ASSEMBLY_TOP "220nF" at -1.948,79.171 h0.25
C8409: PIN_NUMBER "2" at -0.967,115.222 h0.25 r270; PIN_NUMBER "1" at -0.967,117.762 h0.25 r270; ASSEMBLY_TOP "10uF" at -1.501,116.238 h0.25 r270
C8410: PIN_NUMBER "2" at 2.296,118.936 h0.25; PIN_NUMBER "1" at 1.395,118.936 h0.25; ASSEMBLY_TOP "100nF" at 1.439,118.809 h0.25 r180
C8411: PIN_NUMBER "2" at -0.015,113.159 h0.25 r90; PIN_NUMBER "1" at -0.015,111.759 h0.25 r90; ASSEMBLY_TOP "22uF" at -0.193,112.459 h0.25 r270
C8412: PIN_NUMBER "2" at 13.802,112.332 h0.25; PIN_NUMBER "1" at 12.902,112.332 h0.25; ASSEMBLY_TOP "100nF" at 12.945,112.204 h0.25
C8413: PIN_NUMBER "2" at 2.328,108.558 h0.25 r270; PIN_NUMBER "1" at 2.328,109.958 h0.25 r270; ASSEMBLY_TOP "22uF" at 2.15,109.258 h0.25 r270
C8414: PIN_NUMBER "2" at -1.23,113.163 h0.25 r90; PIN_NUMBER "1" at -1.23,112.263 h0.25 r90; ASSEMBLY_TOP "100nF" at -1.51,112.713 h0.25 r270
C8415: PIN_NUMBER "2" at 14.026,110.909 h0.25; PIN_NUMBER "1" at 12.626,110.909 h0.25; ASSEMBLY_TOP "10uF" at 13.022,110.782 h0.25
C8416: PIN_NUMBER "2" at 3.547,108.707 h0.25 r270; PIN_NUMBER "1" at 3.547,109.607 h0.25 r270; ASSEMBLY_TOP "100nF" at 3.268,109.157 h0.25 r270
C8417: PIN_NUMBER "2" at 13.77,100.623 h0.25; PIN_NUMBER "1" at 12.87,100.623 h0.25; ASSEMBLY_TOP "1uF" at 13.117,100.495 h0.25
C8418: PIN_NUMBER "2" at 10.675,98.616 h0.25 r270; PIN_NUMBER "1" at 10.675,99.516 h0.25 r270; ASSEMBLY_TOP "100nF" at 10.396,99.066 h0.25 r90
C8419: PIN_NUMBER "2" at 14.241,97.302 h0.25 r270; PIN_NUMBER "1" at 14.241,98.202 h0.25 r270; ASSEMBLY_TOP "18pF" at 14.063,97.752 h0.25 r270
C8420: PIN_NUMBER "2" at 18.055,95.497 h0.25; PIN_NUMBER "1" at 17.155,95.497 h0.25; ASSEMBLY_TOP "18pF" at 17.3,95.371 h0.25 r180
C8421: PIN_NUMBER "2" at 11.871,97.239 h0.25 r90; PIN_NUMBER "1" at 11.871,96.339 h0.25 r90; ASSEMBLY_TOP "1uF" at 11.795,96.789 h0.25 r90
C8422: PIN_NUMBER "2" at 10.85,100.622 h0.25 r180; PIN_NUMBER "1" at 11.75,100.622 h0.25 r180; ASSEMBLY_TOP "4.7uF" at 10.894,100.495 h0.25
C8423: PIN_NUMBER "2" at 10.532,96.401 h0.25; PIN_NUMBER "1" at 9.632,96.401 h0.25; ASSEMBLY_TOP "1uF" at 9.879,96.274 h0.25
C8424: PIN_NUMBER "2" at 10.532,97.518 h0.25; PIN_NUMBER "1" at 9.632,97.518 h0.25; ASSEMBLY_TOP "100nF" at 9.675,97.391 h0.25
C8425: PIN_NUMBER "2" at 11.872,98.616 h0.25 r270; PIN_NUMBER "1" at 11.872,99.516 h0.25 r270; ASSEMBLY_TOP "4.7uF" at 11.592,99.066 h0.25 r90
C8426: PIN_NUMBER "2" at 16.144,97.288 h0.25 r90; PIN_NUMBER "1" at 16.144,96.388 h0.25 r90; ASSEMBLY_TOP "100nF" at 15.865,96.838 h0.25 r90
C8427: PIN_NUMBER "2" at 16.144,98.401 h0.25 r270; PIN_NUMBER "1" at 16.144,99.302 h0.25 r270; ASSEMBLY_TOP "DNP" at 16.068,98.851 h0.25 r90
C8428: PIN_NUMBER "1" at 12.59,114.904 h0.25 r90; PIN_NUMBER "2" at 12.59,115.804 h0.25 r90; ASSEMBLY_TOP "100nF" at 12.31,115.354 h0.25 r270
C8429: PIN_NUMBER "2" at 2.277,120.739 h0.25 r270; PIN_NUMBER "1" at 2.277,123.279 h0.25 r270; ASSEMBLY_TOP "10uF" at 1.744,121.755 h0.25 r270
C8430: PIN_NUMBER "2" at -1.762,123.808 h0.25 r180; PIN_NUMBER "1" at -0.862,123.808 h0.25 r180; ASSEMBLY_TOP "100nF" at -1.718,123.68 h0.25 r180
C8431: PIN_NUMBER "2" at 1.264,115.209 h0.25 r270; PIN_NUMBER "1" at 1.264,117.749 h0.25 r270; ASSEMBLY_TOP "10uF" at 0.731,116.225 h0.25 r270
C8432: PIN_NUMBER "2" at 15.585,120.306 h0.25; PIN_NUMBER "1" at 13.045,120.306 h0.25; ASSEMBLY_TOP "10uF" at 14.163,120.433 h0.25
C8433: PIN_NUMBER "2" at 15.535,118.702 h0.25; PIN_NUMBER "1" at 14.135,118.702 h0.25; ASSEMBLY_TOP "100nF" at 14.429,118.575 h0.25
C8434: PIN_NUMBER "2" at 15.504,110.405 h0.25 r180; PIN_NUMBER "1" at 16.404,110.405 h0.25 r180; ASSEMBLY_TOP "22pF" at 15.649,110.278 h0.25
C8435: PIN_NUMBER "2" at 12.539,104.268 h0.25 r180; PIN_NUMBER "1" at 12.539,109.168 h0.25 r180; Top Overlay "120uF" at 10.075,106.21 h0.25 r180; ASSEMBLY_TOP "120uF" at 10.964,106.591 h0.25
C8436: PIN_NUMBER "2" at -0.015,108.687 h0.25 r270; PIN_NUMBER "1" at -0.015,110.087 h0.25 r270; ASSEMBLY_TOP "10uF" at -0.193,109.387 h0.25 r270
C8437: PIN_NUMBER "2" at -1.357,108.705 h0.25 r270; PIN_NUMBER "1" at -1.357,109.605 h0.25 r270; ASSEMBLY_TOP "100nF" at -1.637,109.155 h0.25 r270
C9000: PIN_NUMBER "2" at 121.567,6.392 h0.25 r180; PIN_NUMBER "1" at 122.467,6.392 h0.25 r180; ASSEMBLY_TOP "1nF" at 121.814,6.265 h0.25
C9001: PIN_NUMBER "2" at 124.728,4.126 h0.25 r180; PIN_NUMBER "1" at 125.628,4.126 h0.25 r180; ASSEMBLY_TOP "100nF" at 124.772,4 h0.25
C9002: PIN_NUMBER "2" at 124.816,5.577 h0.25 r180; PIN_NUMBER "1" at 126.216,5.577 h0.25 r180; ASSEMBLY_TOP "10uF" at 125.211,5.45 h0.25
C9100: PIN_NUMBER "2" at 20.352,73.527 h0.25; PIN_NUMBER "1" at 19.452,73.527 h0.25; ASSEMBLY_TOP "1uF" at 19.699,73.4 h0.25 r180
C9101: PIN_NUMBER "2" at 20.352,72.511 h0.25; PIN_NUMBER "1" at 19.452,72.511 h0.25; ASSEMBLY_TOP "100nF" at 19.496,72.384 h0.25 r180
C9102: PIN_NUMBER "2" at 5.478,59.892 h0.25 r270; PIN_NUMBER "1" at 5.478,61.292 h0.25 r270; ASSEMBLY_TOP "10uF" at 5.3,60.592 h0.25 r270
C9103: PIN_NUMBER "2" at 4.328,60.652 h0.25 r270; PIN_NUMBER "1" at 4.328,61.552 h0.25 r270; ASSEMBLY_TOP "100nF" at 4.049,61.102 h0.25 r270
C9104: PIN_NUMBER "2" at 6.958,67.996 h0.25 r90; PIN_NUMBER "1" at 6.958,67.096 h0.25 r90; ASSEMBLY_TOP "100nF" at 6.678,67.546 h0.25 r270
C9105: PIN_NUMBER "2" at 157.839,118.271 h0.25 r270; PIN_NUMBER "1" at 157.839,119.171 h0.25 r270; ASSEMBLY_TOP "100nF" at 157.559,118.721 h0.25 r90
C9106: PIN_NUMBER "2" at 157.915,106.587 h0.25 r270; PIN_NUMBER "1" at 157.915,107.487 h0.25 r270; ASSEMBLY_TOP "100nF" at 157.635,107.037 h0.25 r90
C9500: PIN_NUMBER "2" at 144.29,19.212 h0.25 r90; PIN_NUMBER "1" at 144.29,18.312 h0.25 r90; ASSEMBLY_TOP "100nF" at 144.011,18.762 h0.25 r90
C9501: PIN_NUMBER "2" at 155.227,9.907 h0.25; PIN_NUMBER "1" at 154.327,9.907 h0.25; ASSEMBLY_TOP "4.7nF" at 154.371,9.78 h0.25
C9502: PIN_NUMBER "2" at 153.896,8.643 h0.25 r180; PIN_NUMBER "1" at 155.296,8.643 h0.25 r180; ASSEMBLY_TOP "100nF" at 154.19,8.516 h0.25
C9503: PIN_NUMBER "2" at 140.466,27.919 h0.25; PIN_NUMBER "1" at 139.566,27.919 h0.25; ASSEMBLY_TOP "100nF" at 139.609,27.792 h0.25
C9504: PIN_NUMBER "1" at 139.566,26.864 h0.25; PIN_NUMBER "2" at 140.466,26.864 h0.25; ASSEMBLY_TOP "100nF" at 139.609,26.737 h0.25
C9505: PIN_NUMBER "2" at 152.704,28.192 h0.25; PIN_NUMBER "1" at 151.804,28.192 h0.25; ASSEMBLY_TOP "100nF" at 151.847,28.065 h0.25
C9506: PIN_NUMBER "2" at 139.577,25.657 h0.25 r180; PIN_NUMBER "1" at 140.477,25.657 h0.25 r180; ASSEMBLY_TOP "100nF" at 139.621,25.53 h0.25
C9507: PIN_NUMBER "1" at 139.566,24.692 h0.25; PIN_NUMBER "2" at 140.466,24.692 h0.25; ASSEMBLY_TOP "100nF" at 139.609,24.565 h0.25
C9900: PIN_NUMBER "2" at 152.606,40.069 h0.25 r180; PIN_NUMBER "1" at 154.006,40.069 h0.25 r180; ASSEMBLY_TOP "100nF" at 152.899,39.942 h0.25
C9901: PIN_NUMBER "2" at 152.144,38.438 h0.25 r180; PIN_NUMBER "1" at 154.684,38.438 h0.25 r180; ASSEMBLY_TOP "10uF" at 152.753,38.057 h0.25
D1500: PIN_NUMBER "2" at 157.56,89.142 h0.25 r180; PIN_NUMBER "1" at 158.818,89.161 h0.25 r180; ASSEMBLY_TOP "ESD5451N" at 157.471,89.015 h0.25
D2000: PIN_NUMBER "1" at 7.715,137.293 h0.64; PIN_NUMBER "2" at 3.915,137.293 h0.64; ASSEMBLY_TOP "SS32" at 5.662,137.166 h0.25
D2200: PIN_NUMBER "1" at 124.943,15.69 h0.25 r180; PIN_NUMBER "2" at 123.043,15.69 h0.25 r180; PIN_NUMBER "3" at 123.993,13.489 h0.25 r180; ASSEMBLY_TOP "BAT54C" at 123.485,14.463 h0.25
D2504: PIN_NUMBER "2" at 97.395,153.848 h0.25 r270; PIN_NUMBER "1" at 97.375,155.105 h0.25 r270; ASSEMBLY_TOP "ESD5341N" at 96.811,154.47 h0.25 r90
D2505: PIN_NUMBER "2" at 95.871,153.848 h0.25 r270; PIN_NUMBER "1" at 95.851,155.105 h0.25 r270; ASSEMBLY_TOP "ESD5341N" at 95.287,154.47 h0.25 r90
D2506: PIN_NUMBER "2" at 62.921,148.263 h0.25 r270; PIN_NUMBER "1" at 62.902,149.52 h0.25 r270; ASSEMBLY_TOP "ESD5311X" at 62.337,148.885 h0.25 r90
D2507: PIN_NUMBER "2" at 62.882,152.454 h0.25 r90; PIN_NUMBER "1" at 62.902,151.197 h0.25 r90; ASSEMBLY_TOP "ESD5311X" at 62.298,151.832 h0.25 r90
D2508: PIN_NUMBER "2" at 62.882,146.454 h0.25 r90; PIN_NUMBER "1" at 62.902,145.197 h0.25 r90; ASSEMBLY_TOP "ESD5311X" at 62.298,145.832 h0.25 r90
D2509: PIN_NUMBER "2" at 62.921,142.263 h0.25 r270; PIN_NUMBER "1" at 62.902,143.52 h0.25 r270; ASSEMBLY_TOP "ESD5311X" at 62.337,142.885 h0.25 r90
D2510: PIN_NUMBER "2" at 73.143,150.013 h0.25 r90; PIN_NUMBER "1" at 73.124,148.755 h0.25 r90; ASSEMBLY_TOP "ESD5341N" at 72.559,149.39 h0.25 r270
D2511: PIN_NUMBER "2" at 73.143,145.822 h0.25 r270; PIN_NUMBER "1" at 73.163,147.079 h0.25 r270; ASSEMBLY_TOP "ESD5341N" at 72.559,146.444 h0.25 r270
D2512: PIN_NUMBER "2" at 142.13,65.421 h0.25 r270; PIN_NUMBER "1" at 142.11,66.678 h0.25 r270; ASSEMBLY_TOP "ESD5341N" at 141.546,66.043 h0.25 r90
D2513: PIN_NUMBER "2" at 142.09,69.609 h0.25 r90; PIN_NUMBER "1" at 142.11,68.352 h0.25 r90; ASSEMBLY_TOP "ESD5341N" at 141.506,68.987 h0.25 r90
D2514: PIN_NUMBER "2" at 153.839,65.497 h0.25 r270; PIN_NUMBER "1" at 153.819,66.755 h0.25 r270; ASSEMBLY_TOP "ESD5341N" at 153.255,66.12 h0.25 r90
D2515: PIN_NUMBER "2" at 153.8,69.685 h0.25 r90; PIN_NUMBER "1" at 153.819,68.428 h0.25 r90; ASSEMBLY_TOP "ESD5341N" at 153.215,69.063 h0.25 r90
D2516: PIN_NUMBER "2" at 91.177,150.724 h0.25 r90; PIN_NUMBER "1" at 91.197,149.467 h0.25 r90; ASSEMBLY_TOP "ESD5341N" at 90.593,150.102 h0.25 r90
D2517: PIN_NUMBER "2" at 92.905,150.724 h0.25 r90; PIN_NUMBER "1" at 92.924,149.467 h0.25 r90; ASSEMBLY_TOP "ESD5341N" at 92.32,150.102 h0.25 r90
D2518: PIN_NUMBER "2" at 95.991,155.182 h0.25 r180; PIN_NUMBER "1" at 97.248,155.162 h0.25 r180; ASSEMBLY_TOP "ESD5341N" at 95.902,155.055 h0.25 r180
D2519: PIN_NUMBER "2" at 90.263,162.001 h0.25 r90; PIN_NUMBER "1" at 90.283,160.744 h0.25 r90; ASSEMBLY_TOP "ESD5341N" at 89.679,161.379 h0.25 r90
D5000: PIN_NUMBER "1" at 155.419,149.902 h0.25; PIN_NUMBER "2" at 157.819,149.902 h0.25; ASSEMBLY_TOP "B5819WS" at 156.009,149.775 h0.25 r180
D5002: PIN_NUMBER "1" at 154.666,151.65 h0.64; PIN_NUMBER "2" at 158.267,151.65 h0.64; ASSEMBLY_TOP "B5819W" at 156.111,151.523 h0.25 r180
D5003: PIN_NUMBER "2" at 135.365,150.156 h0.25; PIN_NUMBER "1" at 132.965,150.156 h0.25; ASSEMBLY_TOP "B5819WS" at 133.556,150.029 h0.25 r180
D5005: PIN_NUMBER "1" at 132.213,151.904 h0.64; PIN_NUMBER "2" at 135.813,151.904 h0.64; ASSEMBLY_TOP "B5819W" at 133.657,151.777 h0.25 r180
D5100: PIN_NUMBER "2" at 119.903,143.294 h0.64 r270; PIN_NUMBER "1" at 119.903,146.894 h0.64 r270; ASSEMBLY_TOP "B5819W" at 119.674,145.094 h0.25 r270
D5101: PIN_NUMBER "2" at 121.81,144.228 h0.25 r270; PIN_NUMBER "1" at 121.81,146.628 h0.25 r270; ASSEMBLY_TOP "B5819WS" at 121.327,145.428 h0.25 r270
D5102: PIN_NUMBER "1" at 118.355,133.757 h0.25 r180; PIN_NUMBER "2" at 118.355,135.357 h0.25 r180; Top Overlay "RB520S-30" at 123.537,134.557 h0.25 r180; ASSEMBLY_TOP "RB520S-30" at 117.543,134.43 h0.25
D5500: PIN_NUMBER "1" at 89.799,142.306 h0.64 r180; PIN_NUMBER "2" at 86.198,142.306 h0.64 r180; ASSEMBLY_TOP "B5819W" at 87.643,142.179 h0.25 r180
D5501: PIN_NUMBER "1" at 88.993,144.634 h0.25 r90; PIN_NUMBER "2" at 88.993,147.034 h0.25 r90; ASSEMBLY_TOP "B5819WS" at 88.51,145.834 h0.25 r90
D6700: PIN_NUMBER "2" at 45.203,127.56 h0.64 r270; PIN_NUMBER "1" at 45.203,132.46 h0.64 r270; ASSEMBLY_TOP "BS3500NCF" at 44.67,130.01 h0.25 r270
D6701: PIN_NUMBER "2" at 60.48,133.49 h0.64; PIN_NUMBER "1" at 55.58,133.49 h0.64; ASSEMBLY_TOP "BS3500NCF" at 57.37,133.363 h0.25 r180
D6702: PIN_NUMBER "2" at 37.304,127.585 h0.64 r270; PIN_NUMBER "1" at 37.304,132.486 h0.64 r270; ASSEMBLY_TOP "BS3500NCF" at 36.771,130.036 h0.25 r270
D6703: PIN_NUMBER "2" at 48.861,127.56 h0.64 r270; PIN_NUMBER "1" at 48.861,132.46 h0.64 r270; ASSEMBLY_TOP "BS3500NCF" at 48.328,130.01 h0.25 r270
D6704: PIN_NUMBER "2" at 45.254,129.335 h0.25 r270; PIN_NUMBER "1" at 45.254,133.835 h0.25 r270; ASSEMBLY_TOP "BA301N" at 44.848,130.188 h0.25 r180; Bottom Overlay "BA301N" at 46.854,131.204 h0.25 r270
D6705: PIN_NUMBER "2" at 48.912,129.335 h0.25 r270; PIN_NUMBER "1" at 48.912,133.835 h0.25 r270; ASSEMBLY_TOP "BA301N" at 48.505,130.188 h0.25 r180; Bottom Overlay "BA301N" at 50.512,131.204 h0.25 r270
D6706: PIN_NUMBER "2" at 59.061,133.693 h0.25; PIN_NUMBER "1" at 54.561,133.693 h0.25; ASSEMBLY_TOP "BA301N" at 57.675,133.566 h0.25 r180; Bottom Overlay "BA301N" at 57.395,135.09 h0.25
D6707: PIN_NUMBER "2" at 37.355,129.462 h0.25 r270; PIN_NUMBER "1" at 37.355,133.962 h0.25 r270; ASSEMBLY_TOP "BA301N" at 36.948,130.315 h0.25 r180; Bottom Overlay "BA301N" at 38.955,131.331 h0.25 r270
D6800: PIN_NUMBER "2" at 11.689,135.217 h0.64 r180; PIN_NUMBER "1" at 16.589,135.217 h0.64 r180; ASSEMBLY_TOP "BS3500NCF" at 13.479,135.09 h0.25 r180
D6801: PIN_NUMBER "2" at 21.861,127.585 h0.64 r270; PIN_NUMBER "1" at 21.861,132.486 h0.64 r270; ASSEMBLY_TOP "BS3500NCF" at 21.327,130.036 h0.25 r270
D6802: PIN_NUMBER "2" at 25.518,127.585 h0.64 r270; PIN_NUMBER "1" at 25.518,132.486 h0.64 r270; ASSEMBLY_TOP "BS3500NCF" at 24.985,130.036 h0.25 r270
D6803: PIN_NUMBER "2" at 33.646,127.585 h0.64 r270; PIN_NUMBER "1" at 33.646,132.486 h0.64 r270; ASSEMBLY_TOP "BS3500NCF" at 33.113,130.036 h0.25 r270
D6804: PIN_NUMBER "2" at 13.21,135.522 h0.25 r180; PIN_NUMBER "1" at 17.71,135.522 h0.25 r180; ASSEMBLY_TOP "BA301N" at 13.784,135.395 h0.25 r180; Bottom Overlay "BA301N" at 15.282,134.125 h0.25 r180
D6805: PIN_NUMBER "2" at 21.912,129.36 h0.25 r270; PIN_NUMBER "1" at 21.912,133.86 h0.25 r270; ASSEMBLY_TOP "BA301N" at 21.505,130.213 h0.25 r180; Bottom Overlay "BA301N" at 23.512,131.229 h0.25 r270